# Altium PCB pcb.PcbDoc (part 1 of 2) (continued)
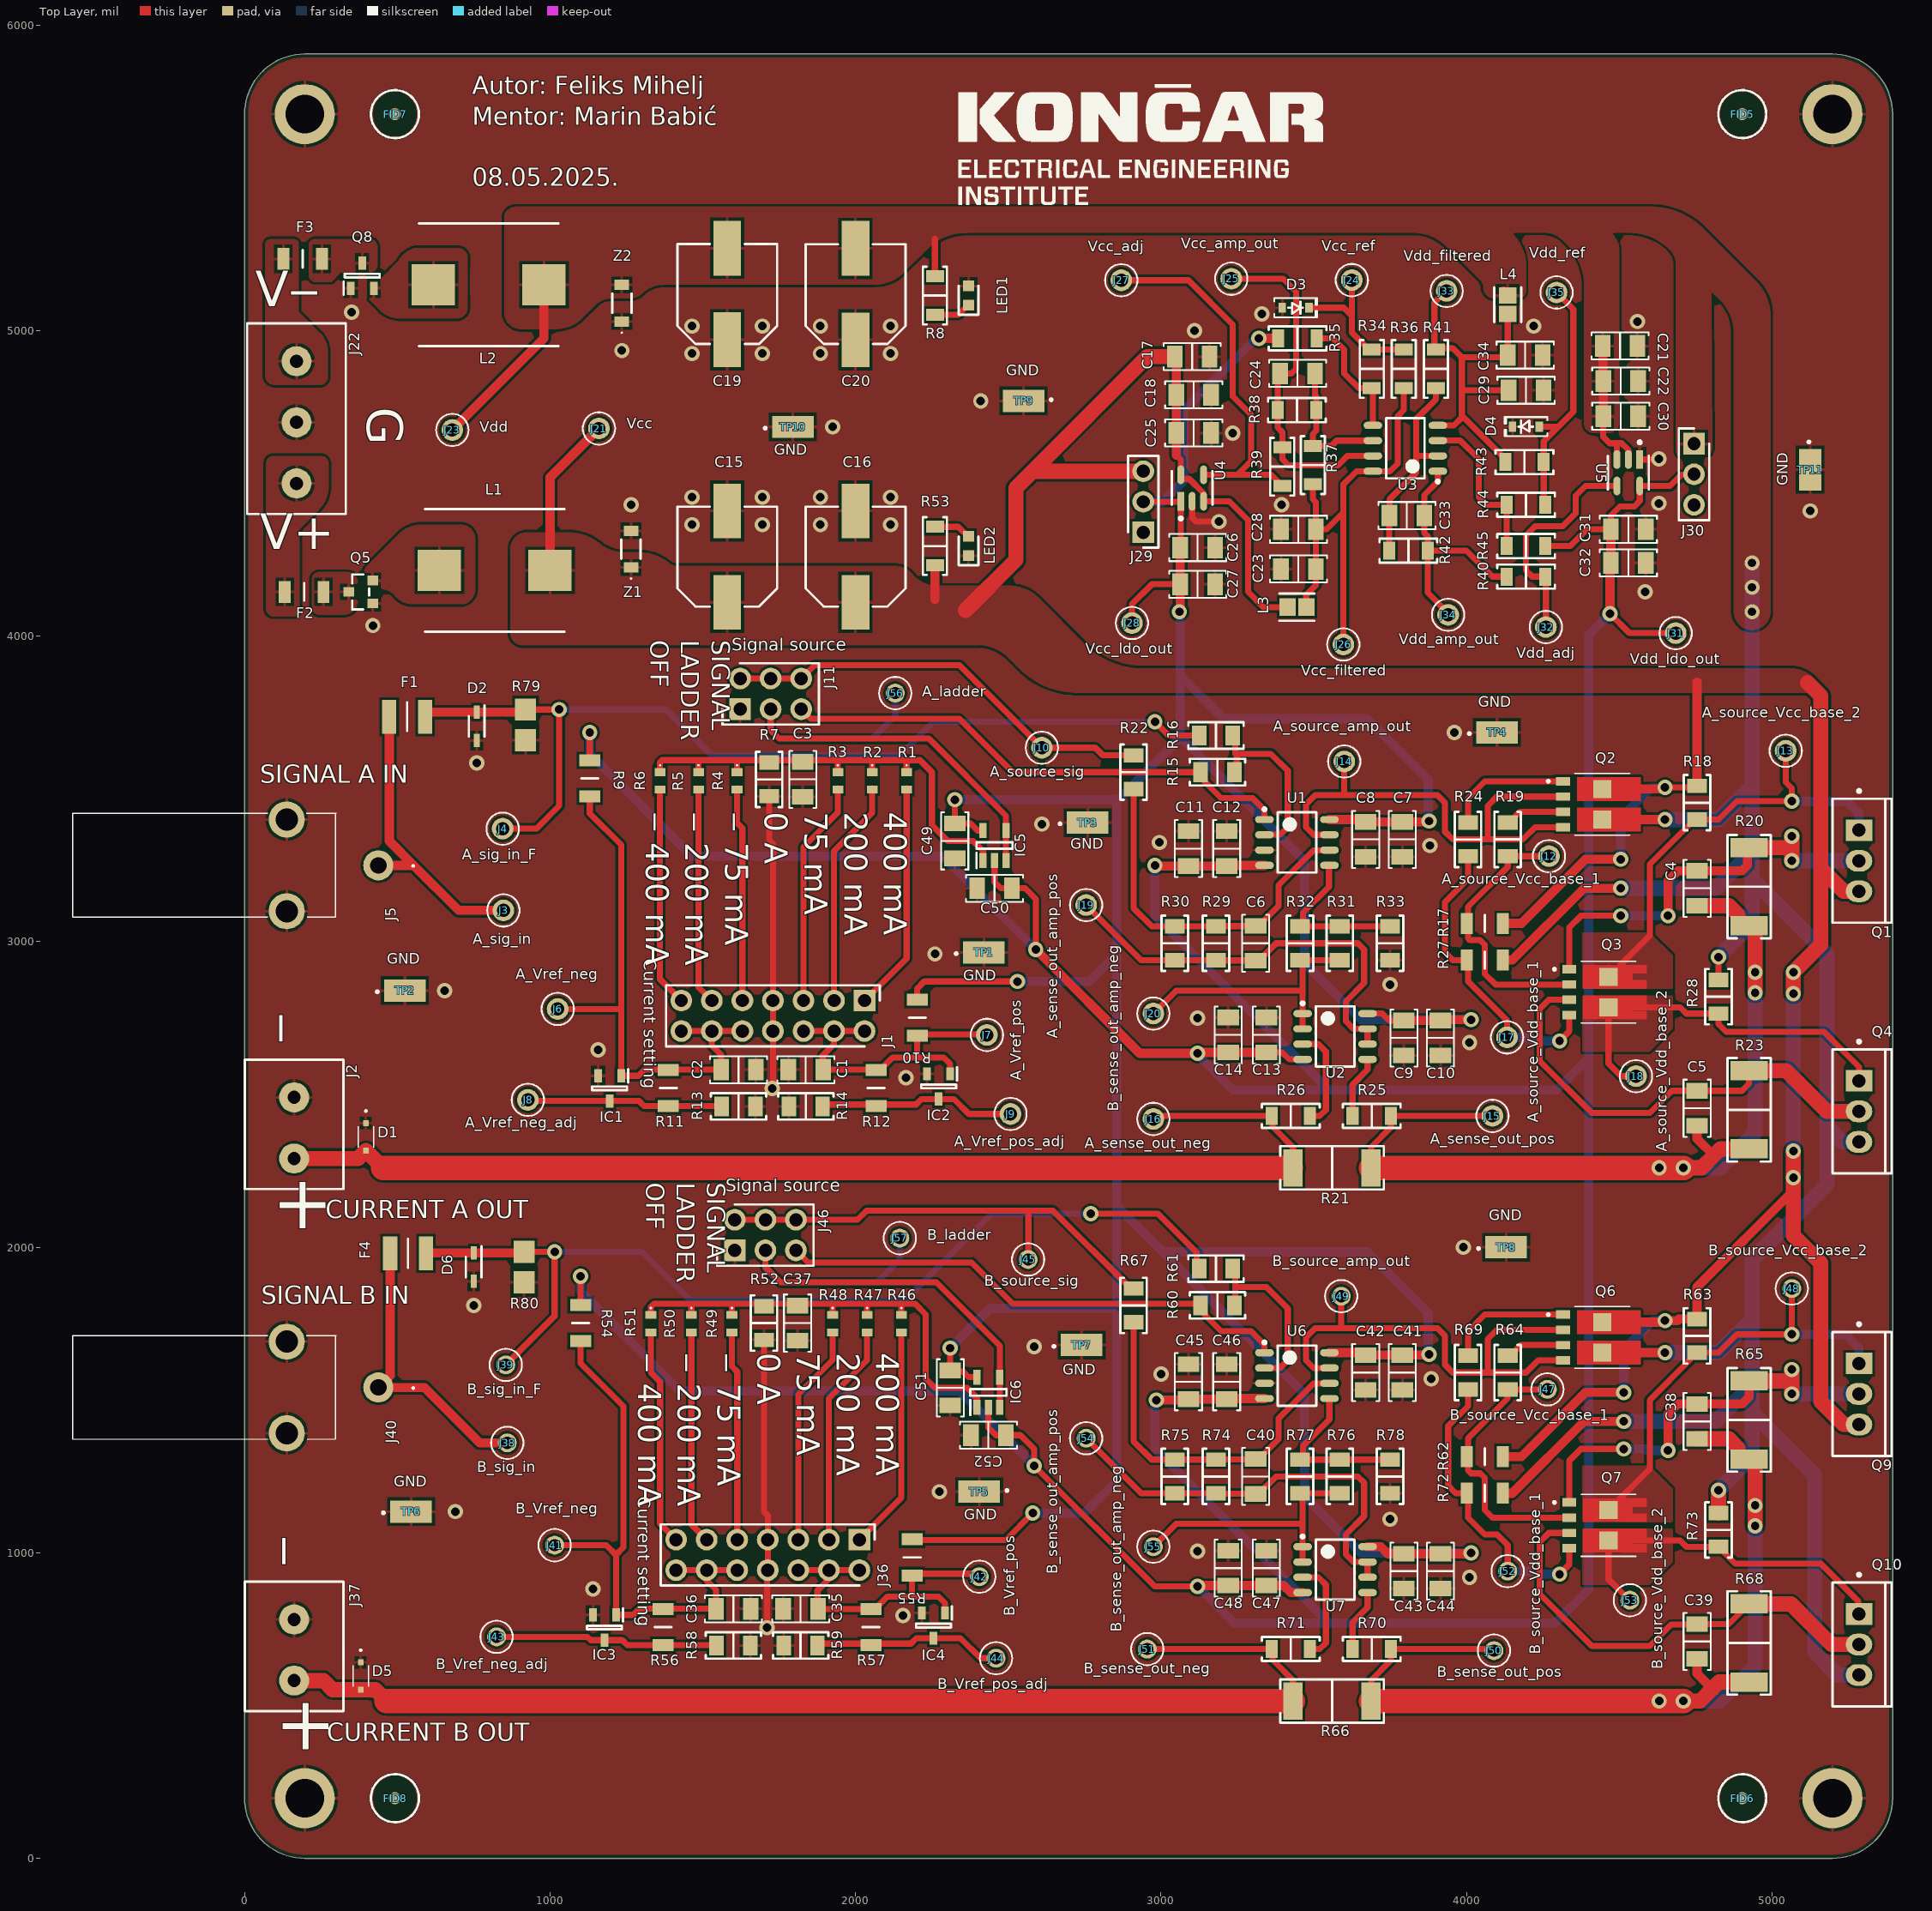
[diagram p0: Top Layer view]
## Footprints (in the part's own frame and the unit in brackets; to place one, negate y for a bottom-side part, rotate by r counter-clockwise, add the part's x,y. Pads: shape width x height; smd on the part's side, far side on the other; paste and mask are expansions set on the pad) (continued)
FID_RND [mm]
  round 1 smd paste-1 mask+1.5: FID1(0,0)
  silkscreen extent -2,-2 2,2
FP-5001-MFG#1 [mm]
  round 1.8 hole 1.1 paste-2539.97 mask+0: 1(0,0)
  silkscreen extent -1.34,-1.35 1.34,1.35, body extent -1.45,-1.45 1.45,1.45, height 0.25
FP-5001-MFG#2 [mm]
  round 1.57 hole 1.016 paste-2539.97 mask+0: 1(0,0)
  silkscreen extent -1.34,-1.35 1.34,1.35, body extent -1.45,-1.45 1.45,1.45, height 0.25
FP-MLZ2012-1_25-IPC_B [mil]
  rect 53.32x57.33 smd paste+0 mask+0: 1(-30.55,0) 2(30.55,0)
  silkscreen extent -57,-44 57,44, body extent -67,-39 67,39, height 10
FP-UJ-5-IPC_B [mm]
  rect 1.554x0.572 smd paste+0 mask+0: 1(-1.1,0.95)
  rrect100% 1.554x0.572 smd paste+0 mask+0: 2(-1.1,0) 3(-1.1,-0.95) 4(1.1,-0.95) 5(1.1,0.95)
  silkscreen extent -2.65,-1.7 1.4,1.7, body extent -2.13,-1.7 2.13,1.7, height 0.25
FUSC3216X90N [mm]
  rect 0.99x1.82 smd: 1(-1.61,0) 2(1.61,0)
  silkscreen extent 0,-0.72 0,0.72, body extent -1.6,-0.8 1.6,0.8, height 0.71
FUSC3226X115N [mm]
  rect 1.18x2.81 smd: 1(-1.485,0) 2(1.485,0)
  silkscreen extent 0,-1.19 0,1.19, body extent -1.61,-1.29 1.61,1.29, height 1.15
"HDRV3W64P0X254_1X3_762X254X864P - duplicate" [mm]
  rect 1.8x1.8 hole 1.1: 1(0,0)
  round 1.8 hole 1.1: 2(2.54,0) 3(5.08,0)
  silkscreen extent -1.27,-1.27 6.35,1.27, body extent -1.27,-1.27 6.35,1.27, height 8.64
HDRV6W82P254_2X3_762X500X884P [mm]
  rect 1.8x1.8 hole 1.1 unplated: 1(0,0)
  round 1.8 hole 1.1: 2(0,2.54) 3(2.54,0) 4(2.54,2.54) 5(5.08,0) 6(5.08,2.54)
  silkscreen extent -1.47,-1.28 6.55,3.82, body extent -1.27,-1.23 6.35,3.77, height 8.84
HDRV14W46P254_2X7_1778X508X818P [mm]
  rect 1.8x1.8 hole 1.1: 1(0,0)
  round 1.8 hole 1.1: 2(0,2.54) 3(2.54,0) 4(2.54,2.54) 5(5.08,0) 6(5.08,2.54) 9(10.16,0) 10(10.16,2.54) 11(12.7,0) 12(12.7,2.54) 13(15.24,0) 14(15.24,2.54)
  round 1.8 hole 1.1 unplated: 7(7.62,0) 8(7.62,2.54)
  silkscreen extent -1.27,-1.27 16.51,3.81, body extent -1.27,-1.27 16.51,3.81, height 8.18
INDPM116102X400N [mm]
  rect 3.6x3.4 smd: 1(-4.6,0) 2(4.6,0)
  silkscreen extent -5.8,-5.1 5.8,5.1, body extent -5.8,-5.1 5.8,5.1, height 4
LEDC1608X55N [mm]
  rect 0.9x0.95 smd: 1(-0.8,0) 2(0.8,0)
  silkscreen extent -1.6,-0.82 0.8,0.82, body extent -0.83,-0.4 0.77,0.4, height 0.55
ONSC-TO-220-3-221A-09 [mm] "FM, 3-Leads, Body 10.3x4.85mm, Pitch 2.54mm"
  rect 2.2x1.8 hole 1.1: 1(0,2.54)
  oval 2.2x1.8 hole 1.1: 2(0,0) 3(0,-2.54)
  silkscreen extent -2.2,-5.15 2.7,5.92, body extent -2.18,-5.15 2.67,5.15, height 19.85
"RES 1206_3216" [mm] "Chip Resistor, 2-Leads, Body 3.13x1.55mm, IPC Medium Density"
  rect 1.2x1.65 smd: 1(-1.4,0) 2(1.4,0)
  silkscreen extent -2.3,-1.1 2.3,1.1, body extent -1.6,-0.8 1.6,0.8, height 0.6
RESC3016X58N [mm]
  rect 1.85x1.75 smd: 1(-1.27,0) 2(1.27,0)
  body extent -1.53,-0.77 1.53,0.77, height 0.58
RESC3116X65N [mm]
  rect 1x1.75 smd: 1(-1.5,0) 2(1.5,0)
  silkscreen extent 0,-0.7 0,0.7, body extent -1.55,-0.8 1.55,0.8, height 0.65
S175146R [mm]
  rect 3.45x1.85 smd: 1(0,0)
  silkscreen extent 2.2,0 2.4,0.2, body extent -1.58,-0.83 1.67,0.82, height 2.05
SD15C01FTG [mm]
  rect 0.49x0.45 smd: 1(-1.14,0) 2(1.14,0)
  silkscreen extent -2.2,-0.65 0.87,0.65, body extent -1.31,-0.65 1.31,0.65, height 1
SMF15VTFTR [mm]
  rect 1.2x0.85 smd: 1(0,1.525) 2(0,-1.525)
  silkscreen extent -0.8,-0.8 0.8,2.5, body extent -0.8,-1.87 0.8,1.87, height 1
SOD323 [mm]
  rect 0.625x0.83 smd: 1(-1.101,-0.02) 2(1.124,-0.02)
  silkscreen extent -1.77,-0.82 1.79,0.78, body extent -1.35,-0.64 1.37,0.6, height 1.05
SOD2613X100N [mm]
  rect 1.1x0.5 smd: 1(-1.175,0) 2(1.175,0)
  silkscreen extent -1.73,-0.65 0.85,0.65, body extent -1.31,-0.65 1.31,0.65, height 1
SOIC8-127P600X175-8N [mm] "SOIC, 8-Leads, Body 4.91x3.90mm, Pitch 1.27mm, IPC Medium Density"
  oval 1.55x0.6 smd: 1(-2.7,1.905) 2(-2.7,0.635) 3(-2.7,-0.635) 4(-2.7,-1.905) 5(2.7,-1.905) 6(2.7,-0.635) 7(2.7,0.635) 8(2.7,1.905)
  silkscreen extent -2.82,-2.5 1.6,2.88, body extent -3,-2.5 3,2.5, height 1.75
SOT95P275X110-5N [mm]
  rect 1.25x0.6 smd: 1(-1.25,0.95) 2(-1.25,0) 3(-1.25,-0.95) 4(1.25,-0.95) 5(1.25,0.95)
  silkscreen extent -1.88,-1.5 0.28,1.5, body extent -1.38,-1.5 1.38,1.5, height 1.1
SOT96P240X110-3N [mm]
  rect 1.1x0.65 smd: 1(-1.05,0.96) 2(-1.05,-0.96) 3(1.05,0)
  silkscreen extent -1.6,-1.45 0.15,1.54, body extent -1.2,-1.45 1.2,1.45, height 1.1
"STACKPOLE CSR2512" [mm] "Chip Resistor, 2-Leads, Body 6.40x3.20mm, IPC Medium Density"
  rect 1.6x3.1 smd: 1(-3.25,0) 2(3.25,0)
  silkscreen extent -4.3,-1.8 4.3,1.8, body extent -3.27,-1.6 3.28,1.6, height 0.5
"TE 282837-2" [mm] "Wire to Board Terminal Block Horizontal with Board, 2 Postions, Body 10.76x8.2 mm, Pitch 5.08mm"
  round 2.5 hole 1.1: 1(-2.54,0)
  round 2.5 hole 1.1 unplated: 2(2.54,0)
  silkscreen extent -5.08,-4.1 5.68,4.1, body extent -5.08,-4.1 5.68,4.1, height 10.3
"TE 282837-3" [mm] "Wire to Board Terminal Block Horizontal with Board, 3 Postions, Body 15.84x8.2mm, Pitch 5.08mm"
  round 2.5 hole 1.1: 1(-5.08,0) 3(5.08,0)
  round 2.5 hole 1.1 unplated: 2(0,0)
  silkscreen extent -7.62,-4.1 8.22,4.1, body extent -7.62,-4.1 8.22,4.1, height 10.3
TRANS_BUK9K18-40E,115 [mm]
  rect 1.15x0.7 smd paste-0.025: 1(-3.275,1.905) 2(-3.275,0.635) 3(-3.275,-0.635) 4(-3.275,-1.905)
  rect 1.5x1.5 smd paste-2 mask+0: 5_6(0,-1.27) 7_8(0,1.27)
  Top Layer region: 3.175,-0.985 2,-0.985 2,-1.555 3.175,-1.555 3.175,-2.255 -2.1,-2.255 -2.1,-0.285 3.175,-0.285
  Top Layer region: 3.175,1.555 2,1.555 2,0.985 3.175,0.985 3.175,0.285 -2.1,0.285 -2.1,2.255 3.175,2.255
  silkscreen extent -4.6,-2.57 2.29,2.57, body extent -3.03,-2.56 3.03,2.56, height 1.05
"YAGEO RES 1206_3216" [mm] "Chip Resistor, 2-Leads, Body 3.13x1.55mm"
  rect 1x1.5 smd: 1(-1.6,0) 2(1.6,0)
  silkscreen extent -2.4,-1 2.4,1, body extent -1.6,-0.8 1.6,0.8, height 0.6

## Part data
C1 C2 C8 C9 C11 C13 C35 C36 C42 C43 C45 C47 C50 C52: library part 885012208093, "CAP CER 1UF 50V X7R 1206", Device Package="1206 (3216 Metric)", manufacturer="Würth Elektronik", Operating Temperature="-55°C ~ 125°C", Supplier Part Number 1=732-7577-1-ND, Temperature Coefficient=X7R, Tolerance=±10%, Voltage - Rated=50V, Applications="General Purpose", Capacitance="1 µF", componentlink1description=Datasheet, componentlink1url=https://katalog.we-online.de/pbs/datasheet/885012208093.pdf, componentlink2description="DigiKey Link", componentlink2url=https://www.digikey.com/en/products/detail/würth-elektronik/885012208093/5453432, lastupdated="6/4/2024 19:10:33", Lifecycle Status=Active, Minimum Order=1, Mounting Type="Surface Mount, MLCC", Package / Case="1206 (3216 Metric)", Packaging=TapeAndReel, Part Number=885012208093, Part Status=Active, partid=39665, price=0.10, Series=WCAP-CSGP, Size / Dimension="0.126\" L x 0.063\" W (3.20mm x 1.60mm)", Supplier 1=DigiKey, Thickness (Max)="0.075\" (1.90mm)"
C3 C4 C5 C7 C10 C12 C14 C18 C22 C28 C29 C37 C38 C39 C41 C44 C46 C48 C49 C51: library part 885012208087, "CAP CER 0.1UF 50V X7R 1206", Device Package="1206 (3216 Metric)", manufacturer="Würth Elektronik", Operating Temperature="-55°C ~ 125°C", Supplier Part Number 1=732-8127-1-ND, Temperature Coefficient=X7R, Tolerance=±10%, Voltage - Rated=50V, Applications="General Purpose", Capacitance="0.1 µF", componentlink1description=Datasheet, componentlink1url=https://katalog.we-online.de/pbs/datasheet/885012208087.pdf, componentlink2description="DigiKey Link", componentlink2url=https://www.digikey.com/en/products/detail/würth-elektronik/885012208087/5453982, lastupdated="6/4/2024 19:10:27", Lifecycle Status=Active, Minimum Order=1, Mounting Type="Surface Mount, MLCC", Package / Case="1206 (3216 Metric)", Packaging=TapeAndReel, Part Number=885012208087, Part Status=Active, partid=20879, price=0.06, Series=WCAP-CSGP, Size / Dimension="0.126\" L x 0.063\" W (3.20mm x 1.60mm)", Supplier 1=DigiKey, Thickness (Max)="0.035\" (0.90mm)"
C6 C24 C33 C40: library part 1206AA470KAT1A, "CAP CER 47PF 1KV C0G/NP0 1206", Device Package="1206 (3216 Metric)", manufacturer="AVX Corporation", Operating Temperature="-55°C ~ 125°C", Supplier Part Number 1=478-2949-1-ND, Temperature Coefficient="C0G, NP0", Tolerance=±10%, Voltage - Rated="1000V (1kV)", Applications="General Purpose", Capacitance=47pF, componentlink1description=Datasheet, componentlink1url=http://datasheets.avx.com/AVX-HV_MLCC.pdf, componentlink2description="DigiKey Link", componentlink2url=http://digikey.com/product-detail/en/avx-corporation/1206AA470KAT1A/478-2949-1-ND/808148, Features="High Voltage", lastupdated="9/2/2020 01:05:31", Lifecycle Status=Active, Minimum Order=1, Mounting Type="Surface Mount, MLCC", Package / Case="1206 (3216 Metric)", Packaging=TapeAndReel, Part Number=1206AA470KAT1A, Part Status=Active, partid=21825, price=0.11, Series=-, Size / Dimension="0.130\" L x 0.063\" W (3.30mm x 1.60mm)", Supplier 1=DigiKey, Thickness (Max)="0.071\" (1.80mm)"
C15 C16 C19 C20: library part 50TZV100M8X10.5, "CAP ALUM 100UF 20% 50V SMD", Device Package="Radial, Can - SMD", Lifetime @ Temp.="2000 Hrs @ 105°C", manufacturer=Rubycon, Operating Temperature="-55°C ~ 105°C", Ratings=AEC-Q200, Ripple Current @ High Frequency="350 mA @ 100 kHz", Ripple Current @ Low Frequency="175 mA @ 120 Hz", Supplier Part Number 1=1189-1651-1-ND, Tolerance=±20%, Voltage - Rated="50 V", Applications=Automotive, Capacitance="100 µF", componentlink1description=Datasheet, componentlink1url=http://www.rubycon.co.jp/en/catalog/e_pdfs/aluminum/e_tzv.pdf, componentlink2description="DigiKey Link", componentlink2url=https://www.digikey.com/en/products/detail/rubycon/50TZV100M8X10-5/3134931, Height - Seated (Max)="0.413\" (10.50mm)", Impedance="340 mOhms", lastupdated="6/3/2024 20:15:48", Lifecycle Status=Active, Minimum Order=1, Mounting Type="Surface Mount", Package / Case="Radial, Can - SMD", Packaging=TapeAndReel, Part Number=50TZV100M8X10.5, Part Status=Active, partid=7533, Polarization=Polar, price=0.16, Series=TZV, Size / Dimension="0.315\" Dia (8.00mm)", Supplier 1=DigiKey, Surface Mount Land Size="0.327\" L x 0.327\" W (8.30mm x 8.30mm)"
C17 C21 C23 C34: library part 885012208069, "CAP CER 10UF 25V X7R 1206", Device Package="1206 (3216 Metric)", manufacturer="Würth Elektronik", Operating Temperature="-55°C ~ 125°C", Supplier Part Number 1=732-7574-1-ND, Temperature Coefficient=X7R, Tolerance=±10%, Voltage - Rated=25V, Applications="General Purpose", Capacitance="10 µF", componentlink1description=Datasheet, componentlink1url=https://katalog.we-online.de/pbs/datasheet/885012208069.pdf, componentlink2description="DigiKey Link", componentlink2url=https://www.digikey.com/en/products/detail/würth-elektronik/885012208069/5453429, lastupdated="6/4/2024 19:10:32", Lifecycle Status=Active, Minimum Order=1, Mounting Type="Surface Mount, MLCC", Package / Case="1206 (3216 Metric)", Packaging=TapeAndReel, Part Number=885012208069, Part Status=Active, partid=43199, price=0.40, Series=WCAP-CSGP, Size / Dimension="0.126\" L x 0.063\" W (3.20mm x 1.60mm)", Supplier 1=DigiKey, Thickness (Max)="0.075\" (1.90mm)"
C25 C26 C27 C30 C31 C32: library part 885382208001, "CAP CER 2.2UF 25V X7R 1206", Device Package="1206 (3216 Metric)", manufacturer="Würth Elektronik", Operating Temperature="-55°C ~ 125°C", Supplier Part Number 1=732-13199-1-ND, Temperature Coefficient=X7R, Tolerance=±10%, Voltage - Rated=25V, Applications="Boardflex Sensitive", Capacitance="2.2 µF", componentlink2description="DigiKey Link", componentlink2url=https://www.digikey.com/en/products/detail/würth-elektronik/885382208001/9816354, Features="Soft Termination", lastupdated="6/4/2024 19:10:38", Lifecycle Status=Active, Minimum Order=1, Mounting Type="Surface Mount, MLCC", Package / Case="1206 (3216 Metric)", Packaging=TapeAndReel, Part Number=885382208001, Part Status=Active, partid=45904, price=0.35, Series=WCAP-CSST, Size / Dimension="0.126\" L x 0.063\" W (3.20mm x 1.60mm)", Supplier 1=DigiKey, Thickness (Max)="0.083\" (2.10mm)"
D1 D5: "TVS Diode (Bi-directional)", Manufacturer_Name=LITTELFUSE, Mouser Part Number=576-SD15C-01FTG, Arrow Part Number=SD15C-01FTG, Arrow Price/Stock=https://www.arrow.com/en/products/sd15c-01ftg/littelfuse?region=nac, Datasheet Link=https://www.arrow.com/en/products/sd15c-01ftg/littelfuse, Height=1.14mm, Manufacturer_Part_Number=SD15C-01FTG, Mouser Price/Stock=https://www.mouser.co.uk/ProductDetail/Littelfuse/SD15C-01FTG?qs=4zl93aaztU8pjSvpxpJP6g%3D%3D
D2 D6: "TVS Diode (Bi-directional)", Manufacturer_Name=LITTELFUSE, Mouser Part Number=576-AQW05C-01FTG, Datasheet Link=https://www.littelfuse.com/media?resourcetype=datasheets&itemid=80ae0bbb-a157-46a1-97eb-84c82c82e9e5&filename=littelfuse-tvs-diode-array-aqw05c-01ftg-datasheet, Height=1mm, Manufacturer_Part_Number=AQW05C-01FTG, Mouser Price/Stock=https://www.mouser.co.uk/ProductDetail/Littelfuse/AQW05C-01FTG?qs=Z%252BL2brAPG1JHH8XKoKQPyw%3D%3D
D3 D4: library part BZX38450-C1V8X
F1 F4: "Fuse", Manufacturer_Name=Bel, Mouser Part Number=530-0ZCH0005FF2E, Datasheet Link=https://www.belfuse.com/resources/datasheets/circuitprotection/ds-cp-0zch-series.pdf, Height=1.15mm, Manufacturer_Part_Number=0ZCH0005FF2E
F2 F3: "Fuse", Arrow Part Number=PTS120660V005, Manufacturer_Name=Eaton, Mouser Part Number=504-PTS12066V150, Arrow Price/Stock=https://www.arrow.com/en/products/pts120660v005/eaton?region=europe, Datasheet Link=https://in.element14.com/eaton-bussmann-series/pts120660v005/pptc-resettable-fuse-0-05a-60vdc/dp/2929344?srsltid=AfmBOorX1B25_1GKuczfUlW7ilxwoZgl3KmxHJmMFzJpoWYAJ50DmC3S, Height=0.9mm, Manufacturer_Part_Number=PTS12066V150, Mouser Price/Stock=https://www.mouser.co.uk/ProductDetail/Eaton-Electronics/PTS120660V005?qs=QmibqUXyDhQPirhmCJ6OpQ%3D%3D
FID1 FID2 FID3 FID4 FID5 FID6 FID7 FID8: library part CMP-0288-0A, "Fiducial, Round, D=4mm (inner D=1mm)", manufacturer=KONČAR, Component Type="Mechanical Parts", ManufacturerPartNumber=FID_RND, MountingType=SMD, PartStatus=Active, ValueNumeric=FID_RND
IC1 IC2 IC3 IC4: library part LM431CCM3/NOPB, "Integrated Circuit", Manufacturer_Name="Texas Instruments", Mouser Part Number=926-LM431CCM3/NOPB, Arrow Part Number=LM431CCM3/NOPB, Arrow Price/Stock=https://www.arrow.com/en/products/lm431ccm3nopb/texas-instruments?utm_currency=USD&region=nac, Datasheet Link=http://www.ti.com/lit/gpn/lm431, Height=1.12mm, Manufacturer_Part_Number=LM431CCM3/NOPB, Mouser Price/Stock=https://www.mouser.co.uk/ProductDetail/Texas-Instruments/LM431CCM3-NOPB?qs=QbsRYf82W3GICygfDXnqiw%3D%3D
IC5 IC6: "Integrated Circuit", Manufacturer_Name=onsemi, Mouser Part Number=863-LM321SN3T1G, Arrow Part Number=LM321SN3T1G, Arrow Price/Stock=https://www.arrow.com/en/products/lm321sn3t1g/on-semiconductor?utm_currency=USD&region=nac, Datasheet Link=https://www.onsemi.com/pub/Collateral/LM321-D.PDF, Height=1.1mm, Manufacturer_Part_Number=LM321SN3T1G, Mouser Price/Stock=https://www.mouser.co.uk/ProductDetail/onsemi/LM321SN3T1G?qs=slMPpRTKD5qNVsCzBsHVZA%3D%3D
J1 J36: "Connector", Manufacturer_Name=SAMTEC, Mouser Part Number=200-TD107GAA, Arrow Part Number=TD-107-G-AA, Arrow Price/Stock=https://www.arrow.com/en/products/td-107-g-aa/samtec, Datasheet Link=https://suddendocs.samtec.com/catalog_english/td.pdf?_gl=1*1wt4qt0*_ga*MTEzMjQwMzYxOS4xNjk3ODEzMDcx*_ga_3KFNZC07WW*MTcxMjgzNDUyOC40My4xLjE3MTI4MzQ1ODguNjAuMC4w, Height=8.18mm, Manufacturer_Part_Number=TD-107-G-AA, Mouser Price/Stock=https://www.mouser.co.uk/ProductDetail/Samtec/TD-107-G-AA?qs=0lQeLiL1qybxLJvA9lDIZA%3D%3D
J2 J37: "TERM BLK 2P SIDE ENT 5.08MM PCB", Color=Green, Current="13.5 A", manufacturer="TE Connectivity AMP Connectors", Supplier Part Number 1=A113320-ND, Voltage="300 V", componentlink1description=Datasheet, componentlink1url=https://www.te.com/commerce/DocumentDelivery/DDEController?Action=srchrtrv&DocNm=282837&DocType=Customer+Drawing&DocLang=English, componentlink2description="DigiKey Link", componentlink2url=https://www.digikey.com/en/products/detail/te-connectivity-amp-connectors/282837-2/2187973, Features="Interlocking (Side)", lastupdated="6/21/2022 15:00:23", Lifecycle Status=Active, Mating Orientation="Horizontal with Board", Minimum Order=1, Mounting Type="Through Hole", Number of Levels=1, Packaging=Tray, Part Number=282837-2, Part Status=Active, Pitch="0.200\" (5.08mm)", Positions Per Level=2, price=0.31, Series=Buchanan, Supplier 1=DigiKey, Wire Gauge="16-28 AWG", Wire Termination="Screw - Rising Cage Clamp"
J3 J4 J6 J7 J8 J9 J10 J12 J13 J14 J15 J16 J17 J18 J19 J20 J21 J23 J24 J25 J26 J27 J28 J31 J32 J33 J34 J35 J38 J39 J41 J42 J43 J44 J45 J47 J48 J49 J50 J51 J52 J53 J54 J55 J56 J57: library part 5001, "PC TEST POINT MINIATURE BLACK", Color=Black, Flammability Rating="UL94 V-0", Package Quantity=100, Supplier Part Number 1=534-5001, Body Material=Bronze, Contact Material=Bronze, Contact Plating=Silver, Diameter=2.54mm, Height=0.3inch, Hole Diameter=1.6mm, Housing Color=Black, Inside Diameter=1.27mm, Insulation=Insulated, Insulation Material=Nylon, Lead Free="Lead Free", Length=7.62mm, Material=Nylon, Mount="Through Hole", Number of Contacts=1, Number of Ports=1, Orientation=Straight, Outside Diameter=2.54mm, Packaging=Bulk, Plating=Silver, REACH SVHC="No SVHC", RoHS Compliant=Yes, Series=THM, Supplier 1=Mouser, Termination="Through Hole"
J5 J40: "Connector", Manufacturer_Name="TE Connectivity", Mouser Part Number=571-5414373-1, Arrow Part Number=5414373-1, Arrow Price/Stock=https://www.arrow.com/en/products/5414373-1/te-connectivity?utm_currency=USD&region=nac, Datasheet Link=https://www.te.com/commerce/DocumentDelivery/DDEController?Action=srchrtrv&DocNm=1307191_BNC_Connectors&DocType=Catalog%20Section&DocLang=English&PartCntxt=5414373-1&DocFormat=pdf, Height=8.64mm, Manufacturer_Part_Number=5414373-1, Mouser Price/Stock=https://www.mouser.co.uk/ProductDetail/TE-Connectivity/5414373-1?qs=TEPVm9Ho6Ekg6JV7ffLu5g%3D%3D
J11 J46: "Connector", Manufacturer_Name=SparkFun, Mouser Part Number=474-PRT-12807, Arrow Part Number=PRT-12807, Arrow Price/Stock=https://www.arrow.com/en/products/prt-12807/sparkfun-electronics, Datasheet Link=https://cdn.sparkfun.com/datasheets/Prototyping/00989.pdf, Height=8.84mm, Manufacturer_Part_Number=PRT-12807, Mouser Price/Stock=https://www.mouser.co.uk/ProductDetail/SparkFun/PRT-12807?qs=WyAARYrbSnYnpz4kKzOm4A%3D%3D
J22: "TERM BLK 3P SIDE ENT 5.08MM PCB", Color=Green, Current="13.5 A", manufacturer="TE Connectivity AMP Connectors", Supplier Part Number 1=A113321-ND, Voltage="300 V", componentlink1description=Datasheet, componentlink1url=https://www.te.com/commerce/DocumentDelivery/DDEController?Action=srchrtrv&DocNm=282837&DocType=Customer+Drawing&DocLang=English, componentlink2description="DigiKey Link", componentlink2url=https://www.digikey.com/en/products/detail/te-connectivity-amp-connectors/282837-3/2187974, Features="Interlocking (Side)", lastupdated="6/21/2022 15:00:39", Lifecycle Status=Active, Mating Orientation="Horizontal with Board", Minimum Order=1, Mounting Type="Through Hole", Number of Levels=1, Packaging=Tray, Part Number=282837-3, Part Status=Active, Pitch="0.200\" (5.08mm)", Positions Per Level=3, price=0.47, Series=Buchanan, Supplier 1=DigiKey, Wire Gauge="16-28 AWG", Wire Termination="Screw - Rising Cage Clamp"
J29 J30: "Connector", Manufacturer_Name=Harwin, Mouser Part Number=855-M20-9990346, Datasheet Link=https://cdn.harwin.com/pdfs/M20-999.pdf, Height=8.64mm, Manufacturer_Part_Number=M20-9990346, Mouser Price/Stock=https://www.mouser.co.uk/ProductDetail/Harwin/M20-9990346?qs=ulE8k0yEMYbyhQ3uXpFs8Q%3D%3D
L1 L2: library part AMRM00101040330MA1, "Inductor", Manufacturer_Name="Pulse Electronics", Mouser Part Number=673-AMRM101040330MA1, Datasheet Link=https://productfinder.pulseelectronics.com/api/open/part-attachments/datasheet/amrm00101040330ma1, Height=4mm, Manufacturer_Part_Number=AMRM00101040330MA1, Mouser Price/Stock=https://www.mouser.co.uk/ProductDetail/Pulse-Electronics/AMRM00101040330MA1?qs=HoCaDK9Nz5eI6M5ad0CXDA%3D%3D
L3 L4: "Shielded Multilayer Inductor 3.3uH ±20% 500mA 260mΩ SMD 0805", Case Code (Imperial)=0805, Case Code (Metric)=2012, Current Rating=500mA, DC Resistance (DCR)=260mR, Inductance=3.3uH, Max Operating Temperature=125°C, Min Operating Temperature=-55°C, Package Quantity=2000, Saturation Current=350mA, Tolerance=20%, Case/Package=0805, Core Material=Ferrite, Height - Seated (Max)=0.057inch, Lead Free="Lead Free", Length=0.079inch, Mount="Surface Mount", Packaging="Tape and Reel", RoHS Compliant=Yes, Shielding=Shielded, Width=0.049inch
LED1 LED2: "LED", Manufacturer_Name=Lite-On, Mouser Part Number=859-LTST-C191KRKT, Arrow Part Number=LTST-C191KRKT, Arrow Price/Stock=https://www.arrow.com/en/products/ltst-c191krkt/lite-on-technology?utm_currency=USD&region=nac, Datasheet Link=http://www.mouser.com/ds/2/239/S_110_LTST-C191KRKT-539838.pdf, Height=0.55mm, Manufacturer_Part_Number=LTST-C191KRKT, Mouser Price/Stock=https://www.mouser.co.uk/ProductDetail/LITEON/LTST-C191KRKT?qs=BAIUz4Y8PJBLfOhzue0q%252BA%3D%3D
Q1 Q9: "Complementary Silicon Plastic Power Transistor, 3-Pin TO-220, Tube", manufacturer="On Semiconductor", Supplier Part Number 1=TIP32COS-ND, componentlink1description="Manufacturer URL", componentlink1url=http://www.onsemi.com/, componentlink2description=Datasheet, componentlink2url=http://www.onsemi.com/pub_link/Collateral/TIP31A-D.PDF, ComponentLink3Description="Package Specification", ComponentLink3URL=http://www.onsemi.com/pub_link/Collateral/221A-09.PDF, DatasheetVersion="Rev. 14", fT Min (MHz)=3, IC Continuous (A)=3, Mounting Technology="Through Hole", PackageDescription="3-Pin Flange Mount, Vertical Straight Lead, Body 9.97 x 4.445 mm, Pitch 2.54 mm", PackageReference=TO-220-3-221A-09, PackageVersion="Rev. AG, 09/2011", Packing=Tube, PartNumber=TIP32C, Polarity=PNP, RoHS=FALSE, Supplier 1=Digi-Key
Q2 Q3: library part PHPT610030NPK, componentlink1description=Datasheet, componentlink1url=https://assets.nexperia.com/documents/data-sheet/PHPT610030NPK.pdf, componentlink2description=Supplier, componentlink2url=https://hr.mouser.com/ProductDetail/Nexperia/PHPT610030NPKX?qs=%252BRKXB2WKlSeoXKhT5DAScw%3D%3D
Q4 Q10: "Complementary Silicon Plastic Power Transistor, 3-Pin TO-220, Tube", manufacturer="On Semiconductor", Supplier Part Number 1=TIP31COS-ND, componentlink1description="Manufacturer URL", componentlink1url=http://www.onsemi.com/, componentlink2description=Datasheet, componentlink2url=http://www.onsemi.com/pub_link/Collateral/TIP31A-D.PDF, ComponentLink3Description="Package Specification", ComponentLink3URL=http://www.onsemi.com/pub_link/Collateral/221A-09.PDF, DatasheetVersion="Rev. 14", fT Min (MHz)=3, IC Continuous (A)=3, Mounting Technology="Through Hole", PackageDescription="3-Pin Flange Mount, Vertical Straight Lead, Body 9.97 x 4.445 mm, Pitch 2.54 mm", PackageReference=TO-220-3-221A-09, PackageVersion="Rev. AG, 09/2011", Packing=Tube, PartNumber=TIP31C, Polarity=NPN, RoHS=FALSE, Supplier 1=Digi-Key
Q5: library part DMP3125L-7, "MOSFET P-CH 30V 2.5A SOT23", Current - Continuous Drain (Id) @ 25°C="2.5A (Ta)", Drain to Source Voltage (Vdss)="30 V", Drive Voltage (Max Rds On,  Min Rds On)="4.5V, 10V", Input Capacitance (Ciss) (Max) @ Vds="254 pF @ 25 V", manufacturer="Diodes Incorporated", Operating Temperature="-55°C ~ 150°C (TJ)", Package / Case="TO-236-3, SC-59, SOT-23-3", Power Dissipation (Max)="650mW (Ta)", Supplier Device Package=SOT-23-3, Supplier Part Number 1=DMP3125L-7DICT-ND, componentlink1description=Datasheet, componentlink1url=https://www.diodes.com/assets/Datasheets/DMP3125L.pdf, componentlink2description="DigiKey Link", componentlink2url=https://www.digikey.com/en/products/detail/diodes-incorporated/DMP3125L-7/8275358, FET Type=P-Channel, Gate Charge (Qg) (Max) @ Vgs="3.1 nC @ 4.5 V", lastupdated="6/3/2024 20:15:20", Lifecycle Status=Active, Minimum Order=1, Mounting Type="Surface Mount", Packaging=TapeAndReel, Part Number=DMP3125L-7, Part Status=Active, price=0.05, Rds On (Max) @ Id, Vgs="95mOhm @ 3.8A, 10V", Series=-, Supplier 1=DigiKey, Technology="MOSFET (Metal Oxide)", Vgs (Max)=±20V, Vgs(th) (Max) @ Id="2.1V @ 250µA"
Q8: "MOSFET (N-Channel)", Manufacturer_Name="Diodes Incorporated", Mouser Part Number=621-DMG3406L-13, Arrow Part Number=DMG3406L-13, Arrow Price/Stock=https://www.arrow.com/en/products/dmg3406l-13/diodes-incorporated?region=nac, Datasheet Link=https://www.diodes.com//assets/Datasheets/DMG3406L.pdf, Height=1.1mm, Manufacturer_Part_Number=DMG3406L-13, Mouser Price/Stock=https://www.mouser.co.uk/ProductDetail/Diodes-Incorporated/DMG3406L-13?qs=BvpHGKeVh3r%252BRZTTCOfjpg%3D%3D
R1 R6 R46 R51: library part ERA-3AEB302V, "Resistor", Manufacturer_Name=Panasonic, Mouser Part Number=667-ERA-3AEB302V, Arrow Part Number=ERA-3AEB302V, Arrow Price/Stock=https://www.arrow.com/en/products/era-3aeb302v/panasonic?utm_currency=USD&region=nac, Datasheet Link=https://industrial.panasonic.com/cdbs/www-data/pdf/RDM0000/AOA0000C307.pdf, Height=0.55mm, Manufacturer_Part_Number=ERA-3AEB302V, Mouser Price/Stock=https://www.mouser.co.uk/ProductDetail/Panasonic/ERA-3AEB302V?qs=NcBTt3PsE6X1AHNczabKdw%3D%3D
R2 R5 R47 R50: library part TNPW06037K96BEEA, "Resistor", Arrow Part Number=ERA-3AEB302V, Manufacturer_Name=Panasonic, Mouser Part Number=667-ERA-3AEB302V, Arrow Price/Stock=https://www.arrow.com/en/products/era-3aeb302v/panasonic?utm_currency=USD&region=nac, Datasheet Link=https://industrial.panasonic.com/cdbs/www-data/pdf/RDM0000/AOA0000C307.pdf, Height=0.55mm, Manufacturer_Part_Number=ERA-3AEB302V, Mouser Price/Stock=https://www.mouser.co.uk/ProductDetail/Panasonic/ERA-3AEB302V?qs=NcBTt3PsE6X1AHNczabKdw%3D%3D
R3 R4 R48 R49: library part RT0603BRD0724K6L, "Resistor", Arrow Part Number=ERA-3AEB302V, Manufacturer_Name=Panasonic, Mouser Part Number=667-ERA-3AEB302V, Arrow Price/Stock=https://www.arrow.com/en/products/era-3aeb302v/panasonic?utm_currency=USD&region=nac, Datasheet Link=https://industrial.panasonic.com/cdbs/www-data/pdf/RDM0000/AOA0000C307.pdf, Height=0.55mm, Manufacturer_Part_Number=ERA-3AEB302V, Mouser Price/Stock=https://www.mouser.co.uk/ProductDetail/Panasonic/ERA-3AEB302V?qs=NcBTt3PsE6X1AHNczabKdw%3D%3D
R7 R13 R14 R29 R31 R52 R58 R59 R74 R76: library part ERA-8AEB202V, "RES SMD 2K OHM 0.1% 1/4W 1206", Device Package="1206 (3216 Metric)", manufacturer="Panasonic Electronic Components", Operating Temperature="-55°C ~ 155°C", Power (Watts)="0.25W, 1/4W", Ratings=AEC-Q200, Supplier Device Package=1206, Supplier Part Number 1=P2.0KBCCT-ND, Temperature Coefficient=±25ppm/°C, Tolerance=±0.1%, componentlink1description=Datasheet, componentlink1url=https://industrial.panasonic.com/cdbs/www-data/pdf/RDM0000/AOA0000C307.pdf, componentlink2description="DigiKey Link", componentlink2url=https://www.digikey.com/en/products/detail/panasonic-electronic-components/ERA-8AEB202V/3070866, Composition="Thin Film", Features="Automotive AEC-Q200", Height - Seated (Max)="0.028\" (0.70mm)", lastupdated="2/9/2024 20:54:17", Lifecycle Status=Active, Minimum Order=1, Number of Terminations=2, Package / Case="1206 (3216 Metric)", Packaging=TapeAndReel, Part Number=ERA-8AEB202V, Part Status=Active, partid=34011, price=0.10, Resistance="2 kOhms", Series=ERA-8A, Size / Dimension="0.126\" L x 0.063\" W (3.20mm x 1.60mm)", Supplier 1=DigiKey
R8 R53: library part RT1206FRE07680RL, "RES SMD 680 OHM 1% 1/4W 1206", Device Package="1206 (3216 Metric)", manufacturer=Yageo, Operating Temperature="-55°C ~ 155°C", Power (Watts)="0.25W, 1/4W", Supplier Device Package=1206, Supplier Part Number 1=13-RT1206FRE07680RLCT-ND, Temperature Coefficient=±50ppm/°C, Tolerance=±1%, componentlink1description=Datasheet, componentlink1url=https://www.yageo.com/upload/media/product/productsearch/datasheet/rchip/PYu-RT_1-to-0.01_RoHS_L_12.pdf, componentlink2description="DigiKey Link", componentlink2url=https://www.digikey.com/en/products/detail/yageo/RT1206FRE07680RL/1083328, Composition="Thin Film", Height - Seated (Max)="0.026\" (0.65mm)", lastupdated="7/25/2024 09:21:22", Lifecycle Status=Active, Minimum Order=1, Number of Terminations=2, Package / Case="1206 (3216 Metric)", Packaging=TapeAndReel, Part Number=RT1206FRE07680RL, Part Status=Active, partid=58036, price=0.01, Resistance="680 Ohms", Series=RT, Size / Dimension="0.122\" L x 0.063\" W (3.10mm x 1.60mm)", Supplier 1=DigiKey
R9 R10 R17 R27 R54 R55 R62 R72: library part RT1206FRE072K2L, "Resistor", Manufacturer_Name=YAGEO, Mouser Part Number=603-RT1206FRE072K2L, Arrow Part Number=RT1206FRE072K2L, Arrow Price/Stock=https://www.arrow.com/en/products/rt1206fre072k2l/yageo?utm_currency=USD&region=nac, Datasheet Link=https://www.mouser.com/datasheet/2/447/PYu_RT_1_to_0_01_RoHS_L_12-3003070.pdf, Height=0.65mm, Manufacturer_Part_Number=RT1206FRE072K2L, Mouser Price/Stock=https://www.mouser.co.uk/ProductDetail/YAGEO/RT1206FRE072K2L?qs=yNCrj0CQcyJif6VASMbdeQ%3D%3D
R11 R12 R56 R57: library part RT1206BRD07400RL, "Resistor", Manufacturer_Name=YAGEO, Mouser Part Number=603-RT1206BRD07400RL, Arrow Part Number=RT1206BRD07400RL, Arrow Price/Stock=null?region=nac, Datasheet Link=https://www.mouser.fr/datasheet/2/447/PYu_RT_1_to_0_01_RoHS_L_15-3461507.pdf, Height=0.65mm, Manufacturer_Part_Number=RT1206BRD07400RL, Mouser Price/Stock=https://www.mouser.co.uk/ProductDetail/YAGEO/RT1206BRD07400RL?qs=NgbZBzc1CyGp8d%2FABgImbQ%3D%3D
R15 R16 R22 R33 R60 R61 R67 R78: library part ERA-8AEB123V, "RES SMD 12K OHM 0.1% 1/4W 1206", Device Package="1206 (3216 Metric)", manufacturer="Panasonic Electronic Components", Operating Temperature="-55°C ~ 155°C", Power (Watts)="0.25W, 1/4W", Ratings=AEC-Q200, Supplier Device Package=1206, Supplier Part Number 1=10-ERA-8AEB123VCT-ND, Temperature Coefficient=±25ppm/°C, Tolerance=±0.1%, componentlink1description=Datasheet, componentlink1url=https://industrial.panasonic.com/cdbs/www-data/pdf/RDM0000/AOA0000C307.pdf, componentlink2description="DigiKey Link", componentlink2url=https://www.digikey.com/en/products/detail/panasonic-electronic-components/ERA-8AEB123V/3070775, Composition="Thin Film", Features="Automotive AEC-Q200", Height - Seated (Max)="0.028\" (0.70mm)", lastupdated="2/9/2024 20:53:53", Lifecycle Status=Active, Minimum Order=1, Number of Terminations=2, Package / Case="1206 (3216 Metric)", Packaging=TapeAndReel, Part Number=ERA-8AEB123V, Part Status=Active, partid=40988, price=0.10, Resistance="12 kOhms", Series=ERA-8A, Size / Dimension="0.126\" L x 0.063\" W (3.20mm x 1.60mm)", Supplier 1=DigiKey
R18 R28 R63 R73: library part ERJ-8GEYJ510V, "RES SMD 51 OHM 5% 1/4W 1206", Device Package="1206 (3216 Metric)", manufacturer="Panasonic Electronic Components", Operating Temperature="-55°C ~ 155°C", Power (Watts)="0.25W, 1/4W", Ratings=AEC-Q200, Supplier Device Package=1206, Supplier Part Number 1=P51ECT-ND, Temperature Coefficient=±200ppm/°C, Tolerance=±5%, componentlink1description=Datasheet, componentlink1url=http://industrial.panasonic.com/www-cgi/jvcr13pz.cgi?E+PZ+3+AOA0001+ERJ8GEYJ510V+7+WW, componentlink2description="DigiKey Link", componentlink2url=https://www.digikey.com/en/products/detail/panasonic-electronic-components/ERJ-8GEYJ510V/11678, Composition="Thick Film", Features="Automotive AEC-Q200", Height - Seated (Max)="0.028\" (0.70mm)", lastupdated="2/9/2024 20:54:16", Lifecycle Status=Active, Minimum Order=1, Number of Terminations=2, Package / Case="1206 (3216 Metric)", Packaging=TapeAndReel, Part Number=ERJ-8GEYJ510V, Part Status=Active, partid=34147, price=0.02, Resistance="51 Ohms", Series=ERJ-8G, Size / Dimension="0.126\" L x 0.063\" W (3.20mm x 1.60mm)", Supplier 1=DigiKey
R19 R24 R64 R69: library part ERJ-8GEYJ5R1V, "RES SMD 5.1 OHM 5% 1/4W 1206", Device Package="1206 (3216 Metric)", manufacturer="Panasonic Electronic Components", Operating Temperature="-55°C ~ 155°C", Power (Watts)="0.25W, 1/4W", Ratings=AEC-Q200, Supplier Device Package=1206, Supplier Part Number 1=P5.1ECT-ND, Temperature Coefficient="-100/ +600ppm/°C", Tolerance=±5%, componentlink1description=Datasheet, componentlink1url=http://industrial.panasonic.com/www-cgi/jvcr13pz.cgi?E+PZ+3+AOA0001+ERJ8GEYJ5R1V+7+WW, componentlink2description="DigiKey Link", componentlink2url=https://www.digikey.com/en/products/detail/panasonic-electronic-components/ERJ-8GEYJ5R1V/282211, Composition="Thick Film", Features="Automotive AEC-Q200", Height - Seated (Max)="0.028\" (0.70mm)", lastupdated="2/9/2024 20:54:09", Lifecycle Status=Active, Minimum Order=1, Number of Terminations=2, Package / Case="1206 (3216 Metric)", Packaging=TapeAndReel, Part Number=ERJ-8GEYJ5R1V, Part Status=Active, partid=36042, price=0.02, Resistance="5.1 Ohms", Series=ERJ-8G, Size / Dimension="0.126\" L x 0.063\" W (3.20mm x 1.60mm)", Supplier 1=DigiKey
R20 R23 R65 R68: library part CSRN2512FKR330, "RES 0.33 OHM 1% 2W 2512", Device Package="2512 (6432 Metric)", manufacturer="Stackpole Electronics Inc", Operating Temperature="-55°C ~ 155°C", Power (Watts)=2W, Supplier Device Package=2512, Supplier Part Number 1=CSRN2512FKR330CT-ND, Temperature Coefficient=±200ppm/°C, Tolerance=±1%, componentlink1description=Datasheet, componentlink1url=https://www.seielect.com/catalog/sei-csr_csrn.pdf, componentlink2description="DigiKey Link", componentlink2url=https://www.digikey.com/en/products/detail/stackpole-electronics-inc/CSRN2512FKR330/1742756, Composition="Thick Film", Features="Current Sense", Height - Seated (Max)="0.028\" (0.70mm)", lastupdated="2/17/2022 18:43:57", Lifecycle Status=Active, Minimum Order=1, Number of Terminations=2, Package / Case="2512 (6432 Metric)", Packaging=TapeAndReel, Part Number=CSRN2512FKR330, Part Status=Active, partid=1770, price=0.12, Resistance="330 mOhms", Series=CSRN, Size / Dimension="0.250\" L x 0.124\" W (6.35mm x 3.15mm)", Supplier 1=DigiKey
R21 R66: library part CSRN2512FKR500, "RES 0.5 OHM 1% 2W 2512", Device Package="2512 (6432 Metric)", manufacturer="Stackpole Electronics Inc", Operating Temperature="-55°C ~ 155°C", Power (Watts)=2W, Supplier Device Package=2512, Supplier Part Number 1=CSRN2512FKR500CT-ND, Temperature Coefficient=±200ppm/°C, Tolerance=±1%, componentlink1description=Datasheet, componentlink1url=https://www.seielect.com/catalog/sei-csr_csrn.pdf, componentlink2description="DigiKey Link", componentlink2url=https://www.digikey.com/en/products/detail/stackpole-electronics-inc/CSRN2512FKR500/1742768, Composition="Thick Film", Features="Current Sense", Height - Seated (Max)="0.028\" (0.70mm)", lastupdated="2/17/2022 18:43:58", Lifecycle Status=Active, Minimum Order=1, Number of Terminations=2, Package / Case="2512 (6432 Metric)", Packaging=TapeAndReel, Part Number=CSRN2512FKR500, Part Status=Active, partid=1683, price=0.07, Resistance="500 mOhms", Series=CSRN, Size / Dimension="0.250\" L x 0.124\" W (6.35mm x 3.15mm)", Supplier 1=DigiKey
R25 R26 R39 R40 R70 R71: library part RT1206FRE073K3L, "RES SMD 3.3K OHM 1% 1/4W 1206", Device Package="1206 (3216 Metric)", manufacturer=Yageo, Operating Temperature="-55°C ~ 155°C", Power (Watts)="0.25W, 1/4W", Supplier Device Package=1206, Supplier Part Number 1=13-RT1206FRE073K3LCT-ND, Temperature Coefficient=±50ppm/°C, Tolerance=±1%, componentlink1description=Datasheet, componentlink1url=https://www.yageo.com/upload/media/product/productsearch/datasheet/rchip/PYu-RT_1-to-0.01_RoHS_L_12.pdf, componentlink2description="DigiKey Link", componentlink2url=https://www.digikey.com/en/products/detail/yageo/RT1206FRE073K3L/1083187, Composition="Thin Film", Height - Seated (Max)="0.026\" (0.65mm)", lastupdated="7/25/2024 09:21:22", Lifecycle Status=Active, Minimum Order=1, Number of Terminations=2, Package / Case="1206 (3216 Metric)", Packaging=TapeAndReel, Part Number=RT1206FRE073K3L, Part Status=Active, partid=58380, price=0.01, Resistance="3.3 kOhms", Series=RT, Size / Dimension="0.122\" L x 0.063\" W (3.10mm x 1.60mm)", Supplier 1=DigiKey
R30 R32 R75 R77: library part ERA-8AEB102V, "RES SMD 1K OHM 0.1% 1/4W 1206", Device Package="1206 (3216 Metric)", manufacturer="Panasonic Electronic Components", Operating Temperature="-55°C ~ 155°C", Power (Watts)="0.25W, 1/4W", Ratings=AEC-Q200, Supplier Device Package=1206, Supplier Part Number 1=P1.0KBCCT-ND, Temperature Coefficient=±25ppm/°C, Tolerance=±0.1%, componentlink1description=Datasheet, componentlink1url=https://industrial.panasonic.com/cdbs/www-data/pdf/RDM0000/AOA0000C307.pdf, componentlink2description="DigiKey Link", componentlink2url=https://www.digikey.com/en/products/detail/panasonic-electronic-components/ERA-8AEB102V/3070741, Composition="Thin Film", Features="Automotive AEC-Q200", Height - Seated (Max)="0.028\" (0.70mm)", lastupdated="2/9/2024 20:54:17", Lifecycle Status=Active, Minimum Order=1, Number of Terminations=2, Package / Case="1206 (3216 Metric)", Packaging=TapeAndReel, Part Number=ERA-8AEB102V, Part Status=Active, partid=33986, price=0.10, Resistance="1 kOhms", Series=ERA-8A, Size / Dimension="0.126\" L x 0.063\" W (3.20mm x 1.60mm)", Supplier 1=DigiKey
R34 R35 R37 R38 R41 R42 R44 R45: library part RT1206FRE0710KL, "RES SMD 10K OHM 1% 1/4W 1206", Device Package="1206 (3216 Metric)", manufacturer=Yageo, Operating Temperature="-55°C ~ 155°C", Power (Watts)="0.25W, 1/4W", Supplier Device Package=1206, Supplier Part Number 1=YAG1242CT-ND, Temperature Coefficient=±50ppm/°C, Tolerance=±1%, componentlink1description=Datasheet, componentlink1url=https://www.yageo.com/upload/media/product/productsearch/datasheet/rchip/PYu-RT_1-to-0.01_RoHS_L_11.pdf, componentlink2description="DigiKey Link", componentlink2url=https://www.digikey.com/en/products/detail/yageo/RT1206FRE0710KL/1082868, Composition="Thin Film", Height - Seated (Max)="0.026\" (0.65mm)", lastupdated="7/25/2024 09:21:28", Lifecycle Status=Active, Minimum Order=1, Number of Terminations=2, Package / Case="1206 (3216 Metric)", Packaging=TapeAndReel, Part Number=RT1206FRE0710KL, Part Status=Active, partid=38903, price=0.01, Resistance="10 kOhms", Series=RT, Size / Dimension="0.122\" L x 0.063\" W (3.10mm x 1.60mm)", Supplier 1=DigiKey
R36 R43: library part RT1206FRE072K2L, "RES SMD 2.2K OHM 1% 1/4W 1206", Device Package="1206 (3216 Metric)", manufacturer=Yageo, Operating Temperature="-55°C ~ 155°C", Power (Watts)="0.25W, 1/4W", Supplier Device Package=1206, Supplier Part Number 1=13-RT1206FRE072K2LCT-ND, Temperature Coefficient=±50ppm/°C, Tolerance=±1%, componentlink1description=Datasheet, componentlink1url=https://www.yageo.com/upload/media/product/productsearch/datasheet/rchip/PYu-RT_1-to-0.01_RoHS_L_12.pdf, componentlink2description="DigiKey Link", componentlink2url=https://www.digikey.com/en/products/detail/yageo/RT1206FRE072K2L/1083103, Composition="Thin Film", Height - Seated (Max)="0.026\" (0.65mm)", lastupdated="7/25/2024 09:21:22", Lifecycle Status=Active, Minimum Order=1, Number of Terminations=2, Package / Case="1206 (3216 Metric)", Packaging=TapeAndReel, Part Number=RT1206FRE072K2L, Part Status=Active, partid=58391, price=0.01, Resistance="2.2 kOhms", Series=RT, Size / Dimension="0.122\" L x 0.063\" W (3.10mm x 1.60mm)", Supplier 1=DigiKey
R79 R80: "Resistor", Manufacturer_Name="TT Electronics", Mouser Part Number=756-TFHP1206B-50RFT5, Datasheet Link=https://www.ttelectronics.com/TTElectronics/media/ProductFiles/Datasheet/TFHP.pdf, Height=0.58mm, Manufacturer_Part_Number=TFHP1206D-50RFT5, Mouser Price/Stock=https://www.mouser.co.uk/ProductDetail/Welwyn-Components-TT-Electronics/TFHP1206D-50RFT5?qs=amGC7iS6iy%252ByF%2Fp2IEHb1w%3D%3D
TP1 TP2 TP3 TP4 TP5 TP6 TP7 TP8 TP9 TP10 TP11: library part S1751-46R, "Test Point", Manufacturer_Name=Harwin, Mouser Part Number=855-S1751-46R, Datasheet Link=https://cdn.harwin.com/pdfs/S1751R.pdf, Height=2mm, Manufacturer_Part_Number=S1751-46R, Mouser Price/Stock=https://www.mouser.co.uk/ProductDetail/Harwin/S1751-46R?qs=l6ZPVqNVZb71wETAKrfRig%3D%3D
U1 U2 U3 U6 U7: "TLV936x 10-MHz, 40-V, RRO, Operational Amplifie", componentlink1description=Datasheet, componentlink1url=https://www.ti.com/lit/ds/symlink/tlv9362.pdf
U5: library part ADP7182, "IC REG LIN NEG ADJ 200MA 5TSOT", Ambient Temperature Range High=+85°C, Ambient Temperature Range Low=-40°C, Dropout Voltage=-185mV, manufacturer="Analog Devices", Max Junction Temp=+125°C, Max Supply Voltage=-28V, Min Supply Voltage=-2.7V, Nominal Supply Current=-33/-650uA, Output Current=-200mA, Output Voltage=-1.22/-27.815V, Package=UJ-5, Temperature="-40°C to +125°C", Accuracy Percentage=1%, Automotive=No, Category=IC, componentlink2description=Datasheet, componentlink2url=https://www.analog.com/media/en/technical-documentation/data-sheets/ADP7182.pdf, Device Class L1="Integrated Circuits (ICs)", Device Class L2="Power Management ICs", Device Class L3="Voltage Regulators - Linear", Digikey Description="IC REG LIN NEG ADJ 200MA 5TSOT", Height=1mm, Ipc Land Pattern Name=SOT95P280X100-5, Lead Free=Yes, Manufacturer Part Number=ADP7182AUJZ-R7, Mouser Description="LDO Regulator Neg -1.22V to -27V 0.2A 5-Pin TSOT T/R", Number Of Outputs=1, Octopart=https://octopart.com/adp7182aujz-r7-analog+devices-21054665, Output Type=AdjustableProgrammable, RoHS=TRUE, Temperature Range High=+125°C, Temperature Range Low=-40°C
Z1 Z2: "Zener Diode", Manufacturer_Name="ROHM Semiconductor", Mouser Part Number=755-SMF15VTFTR, Datasheet Link=https://fscdn.rohm.com/en/products/databook/datasheet/discrete/diode/zener/smf15vtftr-e.pdf, Height=0.9mm, Manufacturer_Part_Number=SMF15VTFTR, Mouser Price/Stock=https://www.mouser.co.uk/ProductDetail/ROHM-Semiconductor/SMF15VTFTR?qs=HXFqYaX1Q2wU8NS9uLe0xg%3D%3D
Q6 Q7: componentlink1description=Datasheet, componentlink1url=https://assets.nexperia.com/documents/data-sheet/PHPT610030NPK.pdf, componentlink2description=Supplier, componentlink2url=https://hr.mouser.com/ProductDetail/Nexperia/PHPT610030NPKX?qs=%252BRKXB2WKlSeoXKhT5DAScw%3D%3D

## Free pads (board coordinates)
  round 196.85 hole 125.98 unplated: 1(196.85,196.85) 1(196.85,5708.66) 1(5198.15,196.85) 1(5198.15,5708.66)

## Via types
v1: diameter 50, hole 28, Top Layer to Bottom Layer, tented both sides, 119 vias

## Nets (pads, with @x,y where several pads share a name; then routed paths per layer and width w, separated by ;. In a path a pad name is that pad's centre, name@x,y a point inside that pad or via, vN(x,y) a via of type N, cw(c..) or ccw(c..) an arc to the next point about the centre after c; other vN are vias at no path point)
GND: C1.2 C2.1 C3.2 C7.1 C8.1 C9.2 C10.2 C11.2 C12.2 C13.2 C14.2 C15.2 C16.2 C17.1 C18.1 C19.1 C20.1 C21.2 C22.2 C23.1 C25.1 C26.1 C27.1 C28.2 C29.1 C30.1 C31.1 C32.1 C34.1 C35.2 C36.1 C37.2 C41.1 C42.1 C43.2 C44.2 C45.2 C46.2 C47.2 C48.2 C49.1 C50.2 C51.1 C52.2 D1.1 D2.2 D3.1 D4.2 D5.1 D6.2 IC1.2 IC2.2 IC3.2 IC4.2 J1.7 J1.8 J2.2 J5.2 J5.3 J11.1 J22.2 J36.7 J36.8 J37.2 J40.2 J40.3 J46.1 LED1.2 LED2.1 pad.1 Q5.1 Q8.1 R7.1 R13.1 R14.1 R33.1 R52.1 R58.1 R59.1 R78.1 R79.1 R80.1 TP1.1 TP2.1 TP3.1 TP4.1 TP5.1 TP6.1 TP7.1 TP8.1 TP9.1 TP10.1 TP11.1 U1.3 U4.2 U5.1 U6.3 Z1.2 Z2.1 | length 2124.3
  Top Layer w20: R52.1@1700.2,1696.73 1700.2,1134.8 1712.68,1122.32 J36.7@1712.68,1043.1 J36.8@1712.68,943.1 1710,940.43 v1(1710,755) ; R7.1@1717.16,3476.22 1717.16,3332.84 1729.64,3320.36 J1.7@1729.64,2807.6 ; v1(1727.51,2519.84) 1729.64,2521.97 J1.8@1729.64,2707.6 J1.7@1729.64,2807.6 ; J1.7@1730,2807.96 J1.7@1729.64,2807.6 ; U4.2@3102.01,4441.68 3102.01,4387.99 3115,4375 v1(3190,4375) ; U5.1@4567.4,4578.32 4628.32,4578.32 v1(4630,4580)
  Top Layer w30: v1(3120,1005) v1@3122.09,1007.09
  other v1: 2155,795 1140.2,881.84 4010,920 3750,1110 690,1135 2275,1200 3885,1570 3000,1585 2585,1675 750,1810 3990,2000 2165,2555 1157.16,2646.34 4010,2670 3120,2750 655,2840 3750,2860 2260,2960 3880,3315 2995,3325 2610,3385 760,3585 3960,3685 420,4035 4585,4145 1465,4365 1695,4365 1885,4365 2115,4365 5125,4410 1265,4430 3395,4430 4630,4435 1465,4455 1695,4455 1885,4455 2115,4455 3235,4665 1925,4685 2410,4770 1465,4925 1695,4925 1885,4925 2115,4925 1235,4935 3110,5000 1465,5015 1695,5015 1885,5015 2115,5015 4220,5015 4560,5030 3330,5055 350,5060
ladder_out_A: IC5.3 IC5.4 J11.3 J56.1 | length 1696.2
  Top Layer w20: J11.3@1722.16,3761.34 1722.16,3692.84 1750,3665 2240,3665 2492.4,3412.6 IC5.4@2492.4,3364.21 IC5.3@2492.4,3265.79
  Bottom Layer w20: J11.3@1722.16,3761.34 1720,3759.18 1720,3695 1750,3665 2055,3665 2130.11,3740.11 J56.1@2130.11,3813.78
ladder_out_B: IC6.3 IC6.4 J46.3 J57.1 | length 1750.5
  Top Layer w20: J46.3@1705,1990 1705,1935 1755,1885 2265,1885 2472.4,1677.6 IC6.4@2472.4,1574.21 IC6.3@2472.4,1475.79
  Bottom Layer w20: J46.3@1705,1990 1705.2,1989.8 1705.2,1929.8 1750,1885 2070,1885 2145,1960 J57.1@2145,2030
NetC3_1: C3.1 IC5.1 R1.1 R2.1 R3.1 R4.1 R5.1 R6.1 R7.2 | length 1538.4
  Top Layer w20: R6.1@1360,3558.54 1360,3587.45 1366.88,3594.33 1492.16,3594.33 1612.16,3594.33 ; R5.1@1486.08,3554.88 1486.08,3594.33 ; R4.1@1612.16,3559.88 1612.16,3594.33 ; R7.2@1717.16,3586.46 R7.2@1717.16,3594.33 ; R3.1@1942.16,3559.88 1942.16,3593.7 1941.53,3594.33 ; R2.1@2054.66,3559.88 2054.66,3589.67 2050,3594.33 ; R1.1@2167.16,3559.88 2167.16,3592.17 2165,3594.33 ; IC5.1@2417.6,3265.79 2417.6,3297.4 2385,3330 2301.97,3330 2250,3381.97 2250,3555 2210.67,3594.33 2165,3594.33 ; 1612.16,3594.33 R7.2@1717.16,3594.33 ; R7.2@1717.16,3594.33 1821.26,3594.33 C3.1@1827.16,3588.43 1833.07,3594.33 1941.53,3594.33 ; 1941.53,3594.33 2050,3594.33 ; 2050,3594.33 2165,3594.33